# Altium PCB BOARD.PcbDoc (continued)
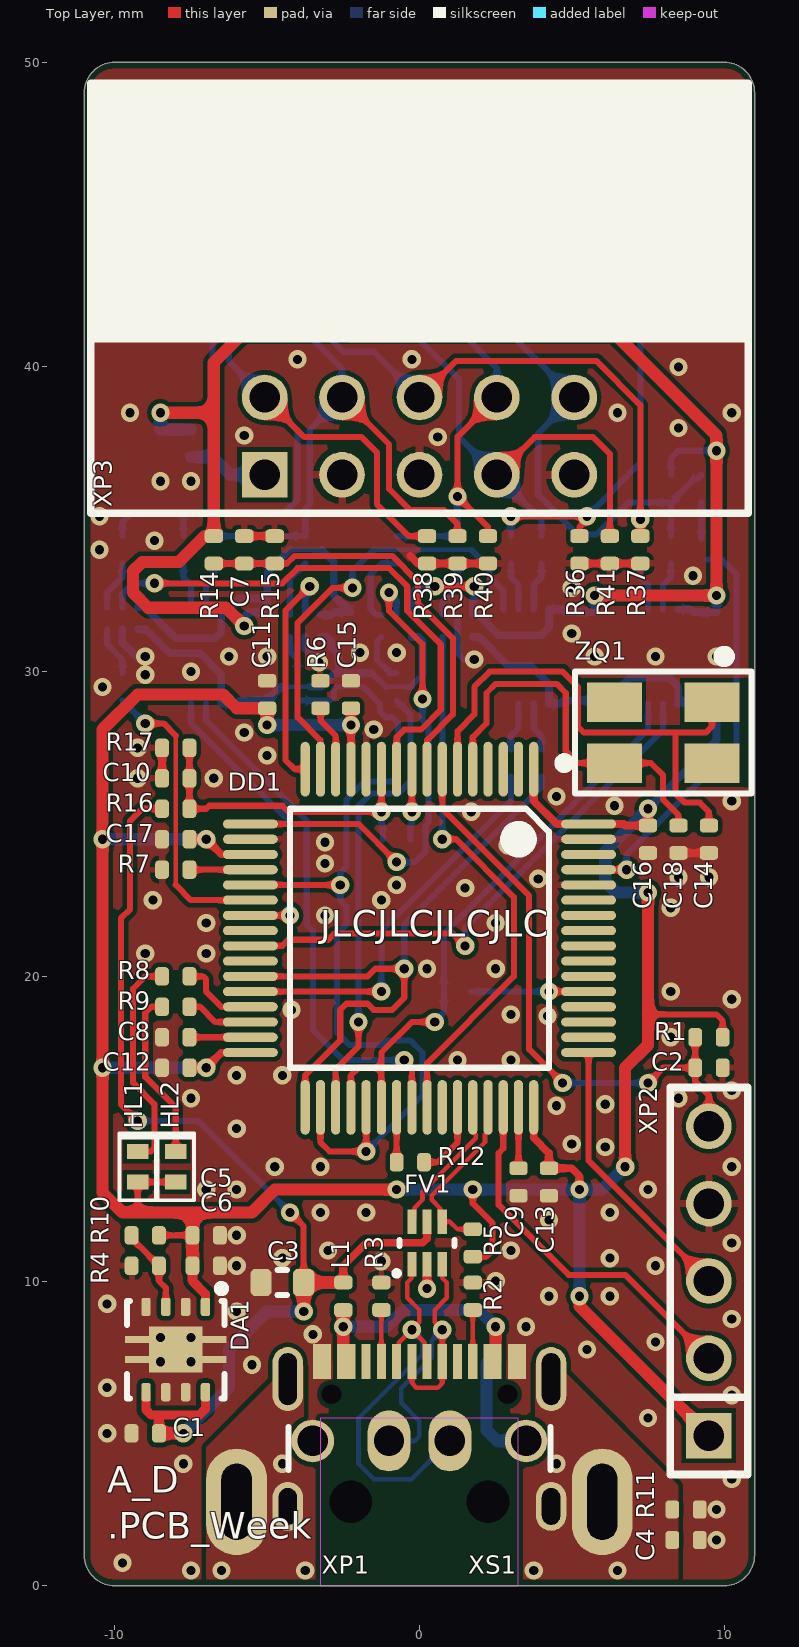
[diagram p0: Top Layer view]
## Part data
C1: library part GRM155R61C105KA12D, Dielectric Type=X5R, Manufacturer=Murata, Tolerance=±10%, Voltage=16V, Working Temperature Max=+85°С, Working Temperature Min=-55°С, Application Category=1, ClassName=DirectConnect, ID=272, Part Number=GRM155R61C105KA12D, Published=18.05.2010, Publisher="Andrew Danich", Type=Конденсатор
C2 C4 C12 C13 C15 C16 C17 C19 C20 C21 C22 C23 C24 C25 C26: library part GCM155R71C104KA55D, Dielectric Type=X7R, Manufacturer=Murata, Tolerance=±10%, Voltage=16V, Working Temperature Max=+125°С, Working Temperature Min=-55°С, Application Category=1, Functional Analog=GRM155R71C104KA88D, ID=163, Part Number=GCM155R71C104KA55D, Published=18.05.2010, Publisher="Andrew Danich", Type=Конденсатор
  C4 C12 C13 C15 C16 C17 C19 C20 C21 C22 C23 C24 C25 C26: ClassName=DirectConnect
C3: library part GRM188R61A106KE69D, Dielectric Type=X5R, Manufacturer=Murata, Tolerance=±10%, Voltage=10V, Working Temperature Max=+85°С, Working Temperature Min=-55°С, Application Category=1, ClassName=DirectConnect, ID=173, Part Number=GRM188R61A106KE69D, Published=18.05.2010, Publisher="Andrew Danich", Type=Конденсатор
C5 C6 C11: library part GRM155R60J475ME87D, Dielectric Type=X5R, Manufacturer=Murata, Tolerance=±20%, Voltage=6.3V, Working Temperature Max=+85°С, Working Temperature Min=-55°С, Application Category=1, ClassName=DirectConnect, ID=223, Part Number=GRM155R60J475ME87D, Published=18.05.2010, Publisher="Andrew Danich", Type=Конденсатор
C7 C10: library part GCM155R71E103KA37D, Dielectric Type=X7R, Manufacturer=Murata, Tolerance=±10%, Voltage=25V, Working Temperature Max=+125°С, Working Temperature Min=-55°С, Application Category=1, Functional Analog=GRM155R71E103KA01D, ID=150, Part Number=GCM155R71E103KA37D, Published=18.05.2010, Publisher="Andrew Danich", Type=Конденсатор
C8 C9 C27: library part GRM155D71C225ME11D, Dielectric Type=X7T, Manufacturer=Murata, Tolerance=±20%, Voltage=16V, Working Temperature Max=+125°С, Working Temperature Min=-55°С, Application Category=1, ClassName=DirectConnect, Functional Analog=GRM155R60J225ME15D, ID=180, Part Number=GRM155D71C225ME11D, Published=18.05.2010, Publisher="Andrew Danich", Type=Конденсатор
C14 C18: library part GRM1555C1H120JA01D, Dielectric Type=NP0, Manufacturer=Murata, Tolerance=±5%, Voltage=50V, Application Category=1, ClassName=DirectConnect, ID=159, Part Number=GRM1555C1H120JA01D, Published=18.05.2010, Publisher="Andrew Danich", Type=Конденсатор
DA1: library part TPS73701DRBR, Input Voltage=+2.2…5.5V, Manufacturer="Texas Instruments", Output Current=1A, Output Voltage=+1.2…5.5V, Working Temperature Max=+125°С, Working Temperature Min=-40°С, Application Category=1, ClassName=DirectConnect, Functional Analog=TPS73701DRBT, ID=26, Part Number=TPS73701DRBR, Published=25.03.2019, Publisher="Andrew Danich", Type=Микросхема
DD1: library part STM32F205RET6, Manufacturer=STMicroelectronics, Operation Frequency=120MHz, Working Temperature Max=+85°С, Working Temperature Min=-40°С, Application Category=1, EEPROM=-, Flash=512K, I/O Lines=51, ID=33, Part Number=STM32F205RET6, Prog Interface="JTAG, SWD, UART", Published=16.10.2015, Publisher="Andrew Danich", SRAM=128K, Supply Operation=+1.8…3.6V, Type=Микросхема
DD2 DD3 DD4: library part SN74LVC2T45DCUR, Manufacturer="Texas Instruments", Supply Current=10uA, Working Temperature Max=+85°С, Working Temperature Min=-40°С, Application Category=1, Channels=2, Directional=Unidirection, Functional Analog=74LVCH2T45DC,125, ID=18, Max Data Rate=420Mbps, Part Number=SN74LVC2T45DCUR, Published=06.03.2020, Publisher="Andrew Danich", Supply 1 Operation=+1,65…5,5V, Supply 2 Operation=+1,65…5,5V, Type=Микросхема
DD5 DD6 DD7 DD8: library part 74LVC1T45FZ4-7, Manufacturer="Diodes Incorporated", Supply Current=3uA, Working Temperature Max=+150°С, Working Temperature Min=-40°С, Application Category=1, Channels=1, Directional=Bidirection, ID=13, Part Number=74LVC1T45FZ4-7, Prop Delay=15.1nS, Published=17.07.2019, Publisher="Andrew Danich", Supply 1 Operation=+1.65…5.5V, Supply 2 Operation=+1.65…5.5V, Type=Микросхема
FV1: library part USBLC6-2P6, Breakdown Voltage=6V, Forward Voltage=0.95V, Junction Capacitance=2.5pF, Manufacturer=STMicroelectronics, Peak Forward Current=5A, Reverse Stand Off Voltage=17V, Working Temperature Max=+125°С, Working Temperature Min=-40°С, Application Category=1, ClassName=DirectConnect, Directional=Bidirectional, Functional Analog=-, ID=30, Part Number=USBLC6-2P6, Published=21.02.2017, Publisher="Andrew Danich", Type=Супрессор
HL1 HL2: library part KPHHS-1005QBC-D-V, Color=Blue, Forward Current=20mA, Forward Voltage=3.3V, Manufacturer=Kingbright, Power Dissipation=120mW, Working Temperature Max=+85°С, Working Temperature Min=-40°С, Application Category=1, ID=24, Leds=1, Luminous Flux=60, Part Number=KPHHS-1005QBC-D-V, Published=03.12.2013, Publisher="Andrew Danich", Type="Индикатор единичный"
L1 L2: library part BLM15PD121SN1D, DC Resistance=0.09ohm, Inductor Type=EMIFIL, Manufacturer=Murata, Rated Current=1.3A, Tolerance=±25%, Working Temperature Max=+125°С, Working Temperature Min=-55°С, Application Category=1, ClassName=DirectConnect, ID=11, Impedance at 100Mhz=120ohm, Part Number=BLM15PD121SN1D, Published=14.11.2014, Publisher="Andrew Danich", Type=Дроссель
R1: library part RC0402JR-0710KL, Limit Voltage=50V, Manufacturer=Yageo, Temperature Coefficient=100ppm, Tolerance=±5%, Total Power Dissipation=0.1W, Working Temperature Max=+155°С, Working Temperature Min=-55°С, Application Category=1, ID=476, Part Number=RC0402JR-0710KL, Published=24.03.2010, Publisher="Andrew Danich", Series Type=Thick-Film, Type=Резистор
R2 R3: library part RC0402FR-075K1L, Limit Voltage=50V, Manufacturer=Yageo, Temperature Coefficient=100ppm, Tolerance=±1%, Total Power Dissipation=0.1W, Working Temperature Max=+155°С, Working Temperature Min=-55°С, Application Category=1, ID=496, Part Number=RC0402FR-075K1L, Published=24.03.2010, Publisher="Andrew Danich", Series Type=Thick-Film, Type=Резистор
R4: library part RC0402FR-0712KL, Limit Voltage=50V, Manufacturer=Yageo, Temperature Coefficient=100ppm, Tolerance=±1%, Total Power Dissipation=0.1W, Working Temperature Max=+155°С, Working Temperature Min=-55°С, Application Category=1, ID=318, Part Number=RC0402FR-0712KL, Published=24.03.2010, Publisher="Andrew Danich", Series Type=Thick-Film, Type=Резистор
R5: library part RC0402FR-071K6L, Limit Voltage=50V, Manufacturer=Yageo, Temperature Coefficient=100ppm, Tolerance=±1%, Total Power Dissipation=0.1W, Working Temperature Max=+155°С, Working Temperature Min=-55°С, Application Category=1, ID=504, Part Number=RC0402FR-071K6L, Published=24.03.2010, Publisher="Andrew Danich", Series Type=Thick-Film, Type=Резистор
R6 R7 R12 R13 R20: library part RC0402JR-070RL, Limit Voltage=50V, Manufacturer=Yageo, Temperature Coefficient=100ppm, Tolerance=±5%, Total Power Dissipation=0.1W, Working Temperature Max=+155°С, Working Temperature Min=-55°С, Application Category=1, ID=362, Part Number=RC0402JR-070RL, Published=24.03.2010, Publisher="Andrew Danich", Series Type=Thick-Film, Type=Резистор
R8 R9: library part RC0402JR-071KL, Limit Voltage=50V, Manufacturer=Yageo, Temperature Coefficient=100ppm, Tolerance=±5%, Total Power Dissipation=0.1W, Working Temperature Max=+155°С, Working Temperature Min=-55°С, Application Category=1, ID=3, Part Number=RC0402JR-071KL, Published=24.03.2010, Publisher="Andrew Danich", Series Type=Thick-Film, Type=Резистор
R10: library part RC0402FR-0722K1L, Limit Voltage=50V, Manufacturer=Yageo, Temperature Coefficient=100ppm, Tolerance=±1%, Total Power Dissipation=0.1W, Working Temperature Max=+155°С, Working Temperature Min=-55°С, Application Category=1, ID=447, Part Number=RC0402FR-0722K1L, Published=24.03.2010, Publisher="Andrew Danich", Series Type=Thick-Film, Type=Резистор
R11: library part RC0402JR-07100KL, Limit Voltage=50V, Manufacturer=Yageo, Temperature Coefficient=100ppm, Tolerance=±5%, Total Power Dissipation=0.1W, Working Temperature Max=+155°С, Working Temperature Min=-55°С, Application Category=1, ClassName=DirectConnect, ID=351, Part Number=RC0402JR-07100KL, Published=24.03.2010, Publisher="Andrew Danich", Series Type=Thick-Film, Type=Резистор
R14 R15 R16 R17: library part RC0402FR-0710KL, Limit Voltage=50V, Manufacturer=Yageo, Temperature Coefficient=100ppm, Tolerance=±1%, Total Power Dissipation=0.1W, Working Temperature Max=+155°С, Working Temperature Min=-55°С, Application Category=1, ID=2, Part Number=RC0402FR-0710KL, Published=24.03.2010, Publisher="Andrew Danich", Series Type=Thick-Film, Type=Резистор
R18: library part RC0402JR-074K7L, Limit Voltage=50V, Manufacturer=Yageo, Temperature Coefficient=100ppm, Tolerance=±5%, Total Power Dissipation=0.1W, Working Temperature Max=+155°С, Working Temperature Min=-55°С, Application Category=1, ID=4, Part Number=RC0402JR-074K7L, Published=24.03.2010, Publisher="Andrew Danich", Series Type=Thick-Film, Type=Резистор
R19: library part RC0402JR-0751RL, Limit Voltage=50V, Manufacturer=Yageo, Temperature Coefficient=100ppm, Tolerance=±5%, Total Power Dissipation=0.1W, Working Temperature Max=+155°С, Working Temperature Min=-55°С, Application Category=1, ID=374, Part Number=RC0402JR-0751RL, Published=24.03.2010, Publisher="Andrew Danich", Series Type=Thick-Film, Type=Резистор
R21 R22 R23 R24 R25 R26 R27 R30 R31 R35: library part RC0402JR-07430RL, Limit Voltage=50V, Manufacturer=Yageo, Temperature Coefficient=100ppm, Tolerance=±5%, Total Power Dissipation=0.1W, Working Temperature Max=+155°С, Working Temperature Min=-55°С, Application Category=1, ID=376, Part Number=RC0402JR-07430RL, Published=24.03.2010, Publisher="Andrew Danich", Series Type=Thick-Film, Type=Резистор
R28 R29 R32 R33 R34: library part RC0402JR-07100RL, Limit Voltage=50V, Manufacturer=Yageo, Temperature Coefficient=100ppm, Tolerance=±5%, Total Power Dissipation=0.1W, Working Temperature Max=+155°С, Working Temperature Min=-55°С, Application Category=1, ID=479, Part Number=RC0402JR-07100RL, Published=24.03.2010, Publisher="Andrew Danich", Series Type=Thick-Film, Type=Резистор
R36 R37 R38 R39 R40 R41: library part RC0402JR-07200KL, Limit Voltage=50V, Manufacturer=Yageo, Temperature Coefficient=100ppm, Tolerance=±5%, Total Power Dissipation=0.1W, Working Temperature Max=+155°С, Working Temperature Min=-55°С, Application Category=1, ID=353, Part Number=RC0402JR-07200KL, Published=24.03.2010, Publisher="Andrew Danich", Series Type=Thick-Film, Type=Резистор
VT1: library part NX3008NBKMB, D-S On-Resistance=1.4omh, D-S Voltage=30V, Drain Current=530mA, Gate Capacitance=50pF, Gate Threshold Voltage=1.1V, Manufacturer="NXP Semiconductors", Total Power Dissipation=360mW, Working Temperature Max=+150°С, Working Temperature Min=-55°С, Application Category=1, Functional Analog=-, ID=36, Part Number=NX3008NBKMB, Published=24.09.2010, Publisher="Andrew Danich", Type=Транзистор
XP1: library part DS1097-B, Limit Current=1.5A, Limit Voltage=30V, Manufacturer="Connfly Electronic Co., Ltd", Application Category=1, ClassName=DirectConnect, Connector Type=Male, Functional Analog="USB-AR, DS1097-W", ID=3, Interface="USB 2.0", Max Data Rate="480 mbps", Mount Type="Through hole", Part Number=DS1097-B, Pins=6, Published=13.08.2015, Publisher="Andrew Danich", Type=Вилка
XP2: library part PLS-5, Limit Current=3A, Limit Voltage=250V, Resistance=15momh, Application Category=1, Connector Type=Male, ID=4, Part Number=PLS-5, Pins=5, Pitch=2.54mm, Published=07.03.2013, Publisher="Andrew Danich", Surface Finish=Gold, Type=Вилка
XP3: library part IDC-10MR, Limit Current=1A, Limit Voltage=500V, Resistance=20mohm, Application Category=1, Connector Type=Male, Functional Analog="DS1013-10RSIB, C3510-10SPGB00", ID=11, Part Number=IDC-10MR, Pins=10, Pitch=2.54mm, Published=07.03.2013, Publisher="Andrew Danich", Type=Вилка
XS1: library part U262-161N-4BVC11, Limit Current=3A, Limit Voltage=30V, Manufacturer="XKB Enterprise", Working Temperature Max=+85°С, Working Temperature Min=-40°С, Application Category=1, ClassName=DirectConnect, Connector Type=Female, Functional Analog=C167321, ID=41, Interface="USB 3.1 Type C", Max Data Rate="480 mbps", Mount Type=Surface, Part Number=U262-161N-4BVC11, Pins=16, Published=17.09.2018, Publisher="Andrew Danich", Type=Розетка
XS2: library part XF2M-1015-1A, Limit Current=500mA, Limit Voltage=50V, Manufacturer="Omron Electronics", Resistance=0.05ohm, Working Temperature Max=+85°С, Working Temperature Min=-30°С, Application Category=1, Connector Type=Female, ID=7, Part Number=XF2M-1015-1A, Pins=10, Pitch=0.5mm, Published=07.09.2015, Publisher="Viktor Klishin", Series=FPC, Type=Розетка
XS3: library part XF2M-0615-1A, Limit Current=500mA, Limit Voltage=50V, Manufacturer="Omron Electronics", Resistance=0.05ohm, Working Temperature Max=+85°С, Working Temperature Min=-30°С, Application Category=1, Connector Type=Female, ID=6, Part Number=XF2M-0615-1A, Pins=6, Pitch=0.5mm, Published=16.02.2017, Publisher="Viktor Klishin", Series=FPC, Type=Розетка
ZQ1: library part AB-12.000MALE-T, Load Capacitance=12pF, Output Frequency=12MHz, Application Category=1, ID=14, Part Number=AB-12.000MALE-T, Published=08.03.2013, Publisher="Andrew Danich", Type=Резонатор

## Via types
v1: diameter 0.6, hole 0.3, Top Layer to Bottom Layer, tented both sides, 213 vias
v2: diameter 0.6, hole 0.3, Top Layer to Bottom Layer, 4 vias

## Nets (pads, with @x,y where several pads share a name; then routed paths per layer and width w, separated by ;. In a path a pad name is that pad's centre, name@x,y a point inside that pad or via, vN(x,y) a via of type N, cw(c..) or ccw(c..) an arc to the next point about the centre after c; other vN are vias at no path point)
DEBUG_RXD: R29.2 R36.2 XS3.3 | length 14.6
  Top Layer w0.2: v1(3,35.1) v1(5.5,35.1) 5.5,34.992 5.25,34.742 R36.2
  Bottom Layer w0.2: R29.2 v1(3,35.1) ; v1(5.5,35.1) 7.25,36.85 7.25,42 5.75,43.5 XS3.3
FTVCC: C23.1 C24.1 C25.1 C26.1 C27.2 DD2.8 DD3.8 DD4.8 DD5.6 DD6.6 DD7.6 DD8.6 L2.1 R14.2 R18.1 | length 71.5
  Top Layer w0.25: v1(0.5,32.8) v1(1.8,32.8)
  Top Layer w0.4: v1(-8.5,38.5) -6.75,38.5 ; v1(-5.75,31.5) -6.35,32.1 -8.9,32.1 -9.4,32.6 -9.4,33.3 -9.1,33.6 -7.9,33.6 -7.05,34.45 R14.2 -6.75,38.5 ; v1(5.75,32.5) v1(9.75,32.5) v1(9.75,37.25) 9.75,37.75 6.4,41.1 -5.8,41.1 -6.75,40.15 -6.75,38.5
  Bottom Layer w0.15: -4.25,34 -3.2,34
  Bottom Layer w0.2: C26.1 -5,32.4 ; R18.1 8.25,37 8.5,37.25 v1(9.75,37.25)
  Bottom Layer w0.25: DD6.6 -9.013,32.113 -8,31.1 -6.7,31.1 -6.5,31.3 DD2.8 -6.25,32.05 -5.9,32.4 -5,32.4 -5,33.25 -4.25,34 ; v1(-5.75,31.5) -5.75,31.8 -5.6,31.95 C26.1 ; DD7.6 -2.9,31.863 -2.813,31.95 C25.1 -2.813,32.513 -2.813,33.613 -3.2,34 ; DD5.6 -0.25,32.55 0,32.8 v1(0.5,32.8) ; v1(1.8,32.8) 1.8,32.4 1.75,32.35 DD8.6 1.937,31.863 2.6,31.2 4,31.2 4.25,31.45 DD3.8 4.7,32.05 4.8,31.95 C24.1 v1(5.75,32.5) ; DD4.8 8.9,32.05 9,31.95 C23.1 v1(9.75,32.5)
  Bottom Layer w0.4: v1(-8.5,38.5) C27.2 -8.498,37.952 L2.1
GND: C1.1 C2.2 C3.1 C4.1 C5.1 C6.1 C7.2 C8.1 C9.1 C10.2 C11.1 C12.2 C13.2 C14.1 C15.2 C16.2 C17.2 C18.1 C19.2 C20.2 C21.2 C22.2 C23.2 C24.2 C25.2 C26.2 C27.1 DA1.2 DA1.4 DA1.6 DA1.7 DA1.TP DD1.12 DD1.18 DD1.60 DD1.63 DD2.4 DD2.5 DD3.4 DD4.4 DD4.5 DD5.2 DD6.2 DD7.2 DD8.2 DD8.5 FV1.2 R2.1 R3.1 R4.1 R6.1 R7.1 R11.2 R15.1 R17.1 R36.1 R37.1 R38.1 R39.1 R40.1 R41.1 VT1.3 XP1.4 XP2.4 XP3.3 XP3.5 XP3.9 XS1.A1 XS1.A12 XS1.B1 XS1.B12 XS2.3 XS2.5 XS2.9 XS3.2 XS3.5 | length 12.7
  Top Layer w0.25: C10.2 R17.1 ; C7.2 R15.1 ; -0.3,33.8 -0.05,33.55 R38.1 R39.1 R40.1 ; v1(0.25,9.75) FV1.2 ; R36.1 R41.1 R37.1 ; C18.1 C14.1
  Bottom Layer w0.2: DD8.5 DD8.2 1.25,30.6 1.45,30.4 v1(1.8,30.4)
  Bottom Layer w0.25: DD6.2 -9.75,30.95 -9.3,30.5 v1(-9,30.5) ; DD7.2 -3.75,30.75 v1(-3.3,30.3)
  other v1: -7.5,0.5 -9.75,0.75 9.75,1.5 9.75,2.5 10.25,3.5 -7.75,4 -10.25,5 7.5,5.5 10.25,6.25 -10.25,6.5 -5.5,7.25 5.5,7.75 7.75,8 -3.5,8.25 3.5,8.5 10.25,8.75 -6,9 -10.25,9.25 4.25,9.5 6.25,9.5 2.5,10 -6,10.5 7.75,10.5 -1.25,10.65 -4.5,10.75 6.25,10.75 -3,11 3,11 10.25,11.25 -6,11.5 4.25,12 -3.25,12.25 -1.75,12.25 6.25,12.25 -7,13 -6,13 7.5,13 -4.75,13.75 -3.25,13.75 10.25,13.75 6.1,14.4 5,14.5 -6,15 4.5,15.75 6.1,15.8 -7.5,16 8.5,16 10.25,16.25 -6,16.75 -4.5,16.75 1.25,17.25 3,17.25 8.25,18 4.2,18.7 3,18.75 -4.2,18.9 10.25,19.25 8.25,19.5 0.25,20.25 2.5,20.25 -9,20.75 -7,20.75 -7,21.75 2.5,21.75 -3.1,22 8.25,22.25 -8.75,22.5 -1.25,22.5 1.5,22.9 -0.75,23 3.9,23.2 8.5,23.25 9.5,23.25 -3.1,23.7 2.9,24.3 -3.1,24.4 1.7,25.4 6.4,25.6 10.25,25.75 4.5,25.9 -9.25,26.5 -6.75,26.5 -5,27.25 -9.25,27.5 -5.75,28 -1.5,28.1 -10.4,29.5 -9,29.9 -7.5,30 -6.25,30.5 -5,30.5 5.75,30.5 7.75,30.5 9.75,30.5 -1.95,30.625 -0.75,30.625 5,31.25 5,32.75 8.975,33.15 -10.5,34 -8.7,34.3 -10.5,35.1 -8.5,36.25 -7.5,36.25 0.6,37.7 -5.75,37.75 8.5,38 -9.5,38.5 6.5,38.5 10.25,38.5 8.5,40 -4,40.25 -0.25,40.25 -7.5,42 -5.5,42 3.75,42 5,42 6.25,42 -1,42.5 0.5,42.5 2,42.5 7.5,42.75 -8,43.25 -2,43.25 -8,44.5 -2,44.5 4,44.5 8,44.5 -0.75,45.25 1,45.25 2.75,45.25 -6,45.75 -4.5,45.75 6.75,46 -7.25,46.5 -10.25,47 -8.25,47 8.25,47 10.25,47 -5.75,47.5 -1.75,47.5 3.75,47.5 -8.25,49 -1.75,49 3.75,49 8.25,49
  other v2: -8.5,7.35 -7.5,7.35 -8.5,8.15 -7.5,8.15
JTAG_RST_N: R18.2 R19.2 R30.2 XP3.10 XS2.10 | length 22.8
  Bottom Layer w0.2: XS2.10 -2.75,42.55 -1.9,41.7 2.38,41.7 XP3.10 3.9,37.82 3.9,35.8 5.2,34.5 5.8,34.5 6.85,35.55 R18.2 ; R30.2 R18.2 ; R19.2 9.133,36.333 9.033,36.333 8.442,35.742 8.442,35.674 8.318,35.55 R18.2
JTAG_RTCK: R28.2 R41.2 XP3.7 XS2.7 | length 22
  Top Layer w0.2: XP3.7 3.78,37.7 5.7,37.7 6.25,37.15 R41.2
  Bottom Layer w0.2: XS2.7 -4.25,42.85 -2.3,40.9 0,40.9 1.3,39.6 1.3,37.7 XP3.7 4,35 R28.2
JTAG_TCK: R26.2 R34.2 R39.2 XP3.4 XS2.4 | length 21.6
  Top Layer w0.2: XP3.4 -1,37.46 -1,36 -0.3,35.3 0.8,35.3 1.242,34.858 1.242,34.458 R39.2
  Bottom Layer w0.2: R26.2 R34.2 -3.75,35.35 -3.6,35.5 -3.6,37.94 XP3.4 -2.54,39.94 -5.75,43.15 XS2.4
JTAG_TDI: R32.2 R35.2 R40.2 XP3.8 XS2.8 XS3.4 | length 31.2
  Top Layer w0.2: R40.2@2.242,34.458 2.242,34.758 v1(1.25,35.75) 1.25,37.71 XP3.8
  Bottom Layer w0.2: R32.2 R35.2 v1(1.25,35.75) ; XP3.8 2.54,39.96 1.2,41.3 -2.1,41.3 -3.75,42.95 XS2.8 -3.75,45.5 -3.25,46 5.6,46 6.25,45.35 XS3.4
JTAG_TDO: R31.2 R37.2 XP3.6 XS2.6 | length 21.3
  Top Layer w0.2: XP3.6 1.2,40.2 5.8,40.2 7.25,38.75 v1(7.25,35) R37.2
  Bottom Layer w0.2: XS2.6 -4.75,42.75 -2.5,40.5 -1.5,40.5 XP3.6 ; R31.2 v1(7.25,35)
JTAG_TMS: R27.2 R33.2 R38.2 XP3.2 XS2.2 | length 25.5
  Top Layer w0.2: XP3.2 -3.78,37.7 -1.9,37.7 -1.4,37.2 -1.4,35.5 -0.35,34.45 R38.2
  Bottom Layer w0.2: R33.2 -9.75,34.9 -9.45,35.2 -7.75,35.2 ; R27.2 -7.75,35.2 ; XS2.2 -6.75,43.55 -6.25,43.05 -6.25,40.17 XP3.2 -4,37.92 -4,35.65 -4.45,35.2 -7.75,35.2
NetC8_2: C8.2 DD1.31 | length 2
  Top Layer w0.2: C8.2 DD1.31
NetC9_2: C9.2 DD1.47 | length 2
  Top Layer w0.2: C9.2 DD1.47
NetC14_2: C14.2 DD1.6 ZQ1.1 | length 17.2
  Top Layer w0.2: DD1.6 1.25,28.05 1.8,28.6 1.8,29.5 2.3,30 4.7,30 5.2,29.5 5.2,28.2 5.4,28 8.394,28 ; C14.2 9.5,25.4 9.2,25.7 8.7,25.7 8.4,26 8.4,27.994 8.394,28 ; ZQ1.1 9.6,28.2 9.4,28 8.394,28
NetC18_2: C18.2 DD1.5 ZQ1.3 | length 12.8
  Top Layer w0.2: DD1.5 1.75,27.85 2.2,28.3 2.2,29.3 2.5,29.6 4.5,29.6 4.8,29.3 4.8,27.4 5.2,27 ZQ1.3 7.6,27 8,26.6 8,25.8 8.5,25.3 C18.2
NetDA1_3: DA1.3 R4.2 R10.1 | length 2.9
  Top Layer w0.2: R10.1 -9.333,11.383 -9.333,11.283 -8.742,10.692 -8.674,10.692 -8.55,10.568 R4.2 -8.55,10 -8.325,9.775 DA1.3
NetDD2_6: DD2.6 R27.1 | length 1.6
  Bottom Layer w0.2: R27.1 -7.75,33.1 -7.5,32.85 DD2.6
NetDD2_7: DD2.7 R26.1 | length 1.6
  Bottom Layer w0.2: DD2.7 -7,32.85 -6.75,33.1 R26.1
NetDD3_2: DD3.2 R21.2 | length 1.6
  Bottom Layer w0.2: DD3.2 3.75,28.15 4,27.9 R21.2
NetDD3_3: DD3.3 R22.2 | length 1.6
  Bottom Layer w0.2: R22.2 3,27.9 3.25,28.15 DD3.3
NetDD3_6: DD3.6 R29.1 | length 1.6
  Bottom Layer w0.2: R29.1 3,33.1 3.25,32.85 DD3.6
NetDD3_7: DD3.7 R28.1 | length 1.6
  Bottom Layer w0.2: DD3.7 3.75,32.85 4,33.1 R28.1
NetDD4_6: DD4.6 R31.1 | length 1.6
  Bottom Layer w0.2: R31.1 7.25,33.1 7.5,32.85 DD4.6
NetDD4_7: DD4.7 R30.1 | length 1.6
  Bottom Layer w0.2: DD4.7 8,32.85 8.25,33.1 R30.1
NetDD5_3: DD5.3 R23.2 | length 1.6
  Bottom Layer w0.2: DD5.3 -1.4,30.987 -1.4,30.4 -0.958,29.958 -0.758,29.958 R23.2
NetDD5_4: DD5.4 R32.1 | length 2.6
  Bottom Layer w0.2: DD5.4 -1.413,31.863 -1.6,32.05 -1.6,33.2 -1.25,33.55 R32.1
NetDD6_3: DD6.3 R24.2 | length 1.6
  Bottom Layer w0.2: DD6.3 -10.25,30.9 -9.75,30.4 R24.2
NetDD6_4: DD6.4 R33.1 | length 1.6
  Bottom Layer w0.2: DD6.4 -10.25,32.6 -9.75,33.1 R33.1
NetDD7_3: DD7.3 R25.2 | length 1.3
  Bottom Layer w0.2: DD7.3 -4.25,30.65 -4,30.4 R25.2
NetDD7_4: DD7.4 R34.1 | length 1.9
  Bottom Layer w0.2: DD7.4 -4.25,33.05 R34.1
NetDD8_4: DD8.4 R35.1 | length 1.9
  Bottom Layer w0.2: DD8.4 0.75,32.25 1.25,32.75 R35.1
NetHL1_2: HL1.2 R8.1 | length 7.2
  Top Layer w0.2: HL1.2 -8.817,14.25 -8.7,14.367 -8.7,15.8 -9.4,16.5 -9.4,19.6 -9,20 R8.1
NetHL2_2: HL2.2 R9.1 | length 5.6
  Top Layer w0.2: R9.1 -8.8,19 -9,18.8 -9,16.7 -8,15.7 HL2.2
NetR2_2: R2.2 XS1.B5 | length 1.7
  Top Layer w0.15: XS1.B5 R2.2
NetR3_2: R3.2 XS1.A5 | length 1.7
  Top Layer w0.15: XS1.A5 R3.2
NetR19_1: R19.1 VT1.2 | length 1.2
  Bottom Layer w0.2: VT1.2 R19.1
PA0: DD1.14 R6.2 | length 2.2
  Top Layer w0.2: R6.2 -3.242,28.792 -3.242,28.392 -2.75,27.9 DD1.14
PA1: DD1.15 DD3.5 | length 14.5
  Top Layer w0.2: DD1.15 -3.25,27.75 -4,28.5 -4,31.6 -2.85,32.75 v1(-2.2,32.75)
  Bottom Layer w0.15: -1.5,34 1.7,34
  Bottom Layer w0.2: v1(-2.2,32.75) -2.2,33.3 -1.5,34 ; 1.7,34 2.3,33.4 2.3,33.1 2.75,32.65 DD3.5
PA2: DD1.16 DD7.5 | length 7.8
  Top Layer w0.2: DD1.16 -4.1,26.8 -4.4,27.1 -4.4,32 v1(-3.6,32.8)
  Bottom Layer w0.2: DD7.5 -3.75,32.542 -3.6,32.692 v1(-3.6,32.8)
PA3: DD1.17 DD5.5 | length 16.3
  Top Layer w0.2: DD1.17 -2,25 v1(-0.75,23.75) ; v1(-1,32.6) -1,32 0.1,30.9 v1(0.1,29.1)
  Bottom Layer w0.2: v1(-1,32.6) -0.75,32.35 DD5.5 ; v1(-0.75,23.75) -0.15,23.75 0.2,24.1 0.2,24.95 0.3,25.05 0.3,28.2 0.1,28.4 v1(0.1,29.1)
PA4: DD1.20 R7.2 | length 2
  Top Layer w0.2: R7.2 DD1.20
PA5: DD1.21 DD1.34 DD1.37 R25.1 | length 30.3
  Top Layer w0.2: DD1.21 v1(-2.6,23) ; DD1.34 -3.25,14.55 -2.95,14.25 v1(-1.75,14.25) DD1.37
  Bottom Layer w0.15: -2.7,29.5 -1.85,29.5
  Bottom Layer w0.2: R25.1 -2.95,29.05 -2.8,29.2 -2.8,29.4 -2.7,29.5 ; -1.85,29.5 -1.3,28.95 -1.3,28.7 -1.1,28.5 -0.9,28.5 -0.7,28.3 -0.7,26.6 -0.9,26.4 -1.8,26.4 -2.1,26.1 -2.4,25.8 -2.4,23.6 -2.6,23.4 v1(-2.6,23) -2.6,22.5 -2.4,22.3 -2.4,21.7 -2.7,21.4 -2.7,18.15 -2.3,17.75 -1.25,17.75 -1.1,17.9 -0.3,17.9 0.1,17.5 0.1,16.1 v1(-1.75,14.25)
PA6: DD1.22 R24.1 | length 9.8
  Top Layer w0.15: -8,23 -8,27.9
  Top Layer w0.2: v1(-9,28.3) -8.4,28.3 -8,27.9 ; -8,23 -7.5,22.5 DD1.22
  Bottom Layer w0.2: R24.1 v1(-9,28.3)
PA7: DD1.23 DD2.3 | length 9.6
  Top Layer w0.2: DD1.23 v1(-4.25,22)
  Bottom Layer w0.2: DD2.3 -7.5,28.3 -4.25,25.05 v1(-4.25,22)
PA8: DD1.41 DD8.3 | length 17.9
  Top Layer w0.2: DD1.41 0.25,17.15 3.1,20 3.1,22.6 1.2,24.5 v1(0.75,24.5)
  Bottom Layer w0.2: v1@0.75,24.45 v1(0.75,24.5) DD8.3
PA10: DD1.43 R12.1 | length 2.5
  Top Layer w0.2: R12.1 0.6,13.9 1.25,14.55 DD1.43
PB1: DD1.27 DD1.33 R21.1 | length 20.4
  Top Layer w0.2: DD1.27 -1.7,20 -1.45,20.25 v1(-0.5,20.25) -0.5,19.3 -0.9,18.9 -1.5,18.9 -1.7,19.1 -2.4,19.1 -2.6,18.9 -2.6,17.9 -3.75,16.75 DD1.33
  Bottom Layer w0.2: v1(-0.5,20.25) -0.5,21.7 4,26.2 R21.1
PB2: DD1.28 R22.1 | length 13.1
  Top Layer w0.2: DD1.28 v1(-1.25,19.5)
  Bottom Layer w0.2: v1(-1.25,19.5) -1.25,21.5 3,25.75 R22.1
PB8: DD1.61 VT1.1 | length 13.6
  Top Layer w0.2: DD1.61 v1(6.8,23.5)
  Bottom Layer w0.2: v1(6.8,23.5) 6.8,24 10.4,27.6 10.4,33.2 9.925,33.675 VT1.1
PB10: DD1.29 R8.2 | length 2.6
  Top Layer w0.2: R8.2 -7.1,20 -7,19.9 -7,19.5 -6.5,19 DD1.29
PB11: DD1.30 R9.2 | length 2.2
  Top Layer w0.2: R9.2 -7.2,19 -6.7,18.5 DD1.30
PB14: DD1.35 R23.1 | length 15.1
  Top Layer w0.2: DD1.35 -2.75,16.95 -2,17.7 v1(-2,18.5)
  Bottom Layer w0.2: v1(-2,18.5) -2,25.6 -1.6,26 -0.7,26 -0.3,26.4 -0.3,28.6 R23.1
PB15: DD1.36 DD1.38 DD4.3 R20.2 | length 19.5
  Top Layer w0.2: DD1.36 -2.25,16.75 -2,17 -1.25,17 ; DD1.38 -1.25,17 ; v1(0.5,18.5) -0.25,18.5 -1.25,17.5 -1.25,17
  Bottom Layer w0.2: v1(0.5,18.5) 0.5,18.517 0.8,18.817 R20.2 0.8,21.4 7.5,28.1 DD4.3
PC0: C7.1 DD1.8 R14.1 R15.2 | length 14.1
  Top Layer w0.2: R14.1 C7.1 R15.2 -4.35,33.55 -4.1,33.8 -0.9,33.8 -0.05,32.95 -0.05,32.25 1.1,31.1 1.1,28.6 0.25,27.75 DD1.8
PC1: DD1.9 R13.2 | length 2.3
  Top Layer w0.2: v1(-0.25,25.4) DD1.9
  Bottom Layer w0.2: R13.2 -0.3,24.95 -0.25,25 v1(-0.25,25.4)
PC2: DD1.10 DD6.5 | length 17.8
  Top Layer w0.2: v1(-8.7,32.9) -4.5,32.9 -4,33.4 -1,33.4 -0.4,32.8 -0.4,32 0.7,30.9 0.7,28.75 0.05,28.1 -0.5,28.1 -0.75,27.85 DD1.10
  Bottom Layer w0.2: DD6.5 -9.75,32.55 -9.4,32.9 v1(-8.7,32.9)
PC3: C10.1 DD1.11 R13.1 R16.1 R17.2 | length 10.7
  Top Layer w0.2: R17.2 C10.1 R16.1 -7,25.5 -6.9,25.6 -4.5,25.6 -4.3,25.4 v1(-1.25,25.4) DD1.11
  Bottom Layer w0.2: v1(-1.25,25.4) -1.25,25 -1.2,24.95 R13.1
PC5: DD1.25 DD4.2 | length 18
  Top Layer w0.2: DD1.25 -4.5,21 -4.3,21.2 -3,21.2 -2.8,21.4 1.1,21.4 v1(1.5,21)
  Bottom Layer w0.2: v1(1.5,21) 1.5,21.6 8,28.1 DD4.2
PC8: DD1.39 R12.2 | length 1.8
  Top Layer w0.2: R12.2 DD1.39
PC9: DD1.40 DD2.2 | length 17.2
  Top Layer w0.2: v1(-0.5,17.25) -0.5,17.183 -0.25,16.933 DD1.40
  Bottom Layer w0.2: DD2.2 -7,28.4 -3.7,25.1 -3.7,21.7 -3.5,21.5 -3.5,18.25 -2.5,17.25 v1(-0.5,17.25)
PC12: DD1.53 R20.1 | length 3.9
  Top Layer w0.2: v1(4.25,19.5) DD1.53
  Bottom Layer w0.2: R20.1 v1(4.25,19.5)
RESET_N: C2.1 DD1.7 R1.1 XP2.5 | length 19.6
  Top Layer w0.2: DD1.7 0.75,25.5 3.6,22.65 3.6,17.6 v1(4.7,16.5) ; v1(7.5,16.5) 8,17 C2.1 ; R1.1 C2.1 ; XP2.5 9.5,16.1 9.05,16.55 C2.1
  Bottom Layer w0.2: v1(4.7,16.5) v1(7.5,16.5)
SHLD: C4.2 R11.1 XP1.SH XS1.SH
  other v1: -6.5,0.5 -3.75,0.5 3.75,0.5 6.5,0.5 -4.5,4 4.5,4
SW_CLK: DD1.49 XP2.3 | length 9.1
  Top Layer w0.2: DD1.49 5.55,13.95 XP2.3
SW_DIO: DD1.46 XP2.2 | length 12.2
  Top Layer w0.2: DD1.46 2.75,14.35 2.6,14.2 2.6,12.5 4.9,10.2 6.76,10.2 XP2.2
TVCC: L2.2 XP3.1 XS2.1 XS3.1 | length 26
  Top Layer w0.2: v1(4.75,45.4) v1(4.75,46.7)
  Bottom Layer w0.2: -6.798,37.048 -6.798,42.798 -7.25,43.25 XS2.1 -7.25,45.45 -6,46.7 v1(4.75,46.7) ; XS3.1 v1(4.75,45.4)
  Bottom Layer w0.4: L2.2 -6.798,37.048 -6.21,36.46 XP3.1
USB_N: DD1.44 FV1.6 | length 4.7
  Top Layer w0.15: FV1.6 -0.175,12.025 -0.175,12.393 0.1,12.668 0.1,12.93 1.85,14.68 1.85,14.809 1.75,14.909 DD1.44
USB_P: DD1.45 FV1.4 R5.2 | length 5.8
  Top Layer w0.15: R5.2 1.25,11.7 1,11.95 FV1.4 0.675,12.025 0.675,12.393 0.4,12.668 0.4,12.805 2.15,14.555 2.15,14.809 2.25,14.909 DD1.45
USBD_N: FV1.1 XP1.2 XS1.A7 XS1.B7 | length 14.1
  Top Layer w0.15: XS1.B7 -0.675,7.43 -0.675,7.975 v1(-0.25,8.4) ; FV1.1 -0.25,10.1 -0.4,9.95 -0.4,9.45 0,9.05 0,8.65 v1(-0.25,8.4) ; XS1.A7 0.175,7.43 0.175,7.975 v1(-0.25,8.4)
  Bottom Layer w0.15: v1(-0.25,8.4) 0.1,8.05 0.1,7.6 -2,5.5 -2,4 -1.5,3.5 -0.25,3.5 XP1.2
USBD_P: FV1.3 XP1.3 XS1.A6 XS1.B6 | length 11.4
  Top Layer w0.15: XS1.A6 -0.243,7.348 -0.243,6.643 -0.1,6.5 0.607,6.5 0.75,6.643 XS1.B6 v1(0.75,8.4) 0.5,8.65 0.5,9.05 0.9,9.45 0.9,9.95 0.75,10.1 FV1.3
  Bottom Layer w0.15: XP1.3 -0.15,4.75 0,4.9 0,5.4 -0.6,6 -0.6,6.476 0.4,7.476 0.4,8.05 v1(0.75,8.4)
VBUS: L1.1 XP1.1 XS1.A4 XS1.A9 XS1.B4 XS1.B9 | length 13.2
  Top Layer w0.4: XS1.A4@-2.5,7.405 v1(-2.5,8.5) L1.1 ; XS1.A9@2.5,7.405 v1(2.5,8.5)
  Bottom Layer w0.4: v1(-2.5,8.5) -1.069,8.5 -0.519,9.05 1.95,9.05 v1(2.5,8.5) 2.5,7.6 2.2,7.3 2.2,5.1 2.55,4.75 XP1.1
VCC3P3: C5.2 C6.2 C11.2 C12.1 C13.1 C15.1 C16.1 C17.1 C19.1 C20.1 C21.1 C22.1 DA1.1 DD1.1 DD1.13 DD1.19 DD1.32 DD1.48 DD1.64 DD2.1 DD3.1 DD4.1 DD5.1 DD6.1 DD7.1 DD8.1 HL1.1 HL2.1 R1.2 R5.1 R10.2 XP2.1 | length 132
  Top Layer w0.2: -9.25,12.25 HL1.1 HL2.1 ; R10.2 C5.2 ; R5.1 2.2,10.8 2.4,11 2.4,11.9 1.75,12.55 v1(1.75,13) ; 7.5,18.75 9.75,18.75 9.95,18.55 R1.2
  Top Layer w0.25: C12.1 v1(-7,17) -6.51,17.49 -5.56,17.49 DD1.32 ; C17.1 v1(-7,24.5) -6.51,24.01 -5.56,24.01 DD1.19 ; DD1.13 v1(-2.25,28.25) C15.1 ; DD1.48 3.75,14.7 4.25,14.2 C13.1 5,13.7 5.248,13.452 5.248,13.002 v1(5.25,13) ; DD1.1 3.75,25.75 4.5,25 DD1.64 6.7,25 6.75,24.95 C16.1 v1(7.5,25.5)
  Top Layer w0.3: C6.2 -7.45,10 -7.025,9.575 DA1.1
  Top Layer w0.4: C6.2 C5.2 -7.45,12.25 ; v1(-5,28.25) C11.2 -6,28.8 -6.45,29.25 -9.25,29.25 -10.4,28.1 v1(-10.4,24.5) v1(-10.4,17) -10.4,12.9 -9.75,12.25 -9.25,12.25 -7.45,12.25 ; v1(-0.75,13) -4.75,13 -5.5,12.25 -7.45,12.25 ; v1(5.25,9.5) 5.25,9.17 XP2.1 ; v1(6.75,13.75) 6.75,17 7.5,17.75 7.5,18.75 v1(7.5,22.75)
  Bottom Layer w0.15: -4.4,29.5 -3.6,29.5 ; -1.113,29.5 -0.4,29.5
  Bottom Layer w0.2: -1.563,29.95 -1.113,29.5 ; -0.4,29.5 -0.3,29.5 0.1,29.9
  Bottom Layer w0.25: DD6.1 -8.988,31.387 -8.2,30.6 -7.2,30.6 -6.5,29.9 DD2.1 -6,28.95 -5.9,29.05 C22.1 -4.55,29.5 -4.4,29.5 ; -3.6,29.5 -3.23,29.5 -2.78,29.95 -2.653,29.95 ; DD7.1 -3.037,31.137 -2.9,31 -2.9,30.8 -2.653,30.553 -2.653,29.95 ; -1.563,29.95 C21.1 -2.653,29.95 ; DD5.1 -0.038,31.137 0.1,31 0.1,29.9 ; DD8.1 1.963,31.137 2.9,30.2 3.65,30.2 4.25,29.6 DD3.1@4.25,28.954 ; DD3.1 DD3.1@4.25,28.954 ; v1(7.5,25.5) 9.75,27.75 C19.1 8.9,29.05 8.854,29.004 DD4.1@8.5,29.004 ; DD4.1 DD4.1@8.5,29.004 ; DD3.1@4.25,28.954 4.604,28.954 4.7,29.05 C20.1 6.15,29.05 6.9,29.8 8.2,29.8 8.5,29.5 DD4.1@8.5,29.004
  Bottom Layer w0.4: v1(-10.4,17) v1(-7,17) ; v1(-10.4,24.5) v1(-7,24.5) ; C22.1 v1(-5,28.25) v1(-2.25,28.25) ; v1(-0.75,13) v1(1.75,13) v1(5.25,13) ; v1(5.25,9.5) v1(5.25,13) ; v1(6.75,13.75) 6,13 v1(5.25,13) ; v1(7.5,22.75) 6.45,22.75 6.1,23.1 6.1,24.1 v1(7.5,25.5)
VCC5P0: C1.2 C3.2 DA1.5 DA1.8 FV1.5 L1.2 R16.2 | length 37.6
  Top Layer w0.2: v1(-9.25,15.25) -9.8,15.8 -9.8,21.9 -9.5,22.2 -9.5,25.1 -9.1,25.5 R16.2 ; v1(-4.25,12.25) -3.8,11.8 C3.2
  Top Layer w0.25: L1.2 -2.5,10.5 -1.75,11.25 0.104,11.25 0.25,11.396 FV1.5
  Top Layer w0.3: DA1.5 -8.975,5.775 -8.8,5.6 -8.55,5.6 ; C1.2 -8.55,5.6 ; DA1.8 -7.025,5.8 -7.225,5.6 -8.55,5.6
  Top Layer w0.4: C1.2 v1(-7.75,5) ; v1(-3.8,9) C3.2 L1.2
  Bottom Layer w0.2: v1(-9.25,15.25) -7.25,15.25 v1(-4.25,12.25)
  Bottom Layer w0.4: v1(-7.75,5) -6.25,6.5 -6.25,7.75 -5,9 v1(-3.8,9)
pads on no net: DD1.2 DD1.3 DD1.4 DD1.24 DD1.26 DD1.42 DD1.50 DD1.51 DD1.52 DD1.54 DD1.55 DD1.56 DD1.57 DD1.58 DD1.59 DD1.62 XP1.0 XS1.0 XS1.A8 XS1.B8 XS2.SH XS3.6 XS3.SH ZQ1.2 ZQ1.4

## Polygon pours and split planes (outlines as drawn)
no net on Top Solder "GND_L02_P-001" (solid, remove dead copper): -11,31
GND on Bottom Layer "GND_L02_P004" (solid, remove dead copper, pour order 4): -11,0 11,0 11,50 -11,50
SHLD on Bottom Layer "SHLD_L02_P000" (solid, remove dead copper, pour order 0): -7,0 -7,3.5 -6,4.5 -3.5,4.5 -3.5,4 -1.75,2.25 1.75,2.25 3.5,4 3.5,4.5 6,4.5 7,3.5 7,0
GND on Top Layer "GND_L01_P006" (solid, remove dead copper, pour order 6): -11,0 11,0 11,50 -11,50
SHLD on Top Layer "SHLD_L01_P002" (solid, remove dead copper, pour order 2): -7,0.046 -7,4.546 -4.8,6.746 -4.8,7.3 -3.8,7.3 -3.8,4.346 -1.75,2.296 1.75,2.296 3.8,4.346 3.8,7.3 4.8,7.3 4.8,6.996 8.5,3.296 8.5,0.046

## Silkscreen, mask and mechanical layers (free items; w line width, h text height)
Top Overlay:
  text "JLCJLCJLCJLC" at -3.25,21 h1.5
  text "A_D" at -10.25,2.75 h1.5
  text ".PCB_Week" at -10.25,1.25 h1.5
Bottom Overlay:
  lines w0.15: -7.75,41.25 7.75,41.25 ; -6.5,40 -6.5,42.5 ; -3.75,40 -3.75,42.5 ; -1.25,40 -1.25,42.5 ; 1,40 1,42.5 ; 3.75,40 3.75,42.5 ; 6.5,40 6.5,42.5
  text "2" at -7.25,42.25 h1.5 r180
  text "TMS" at -6,42.25 h1.5 r180
  text "TCK" at -3.5,42.25 h1.5 r180
  text "TDO" at -1,42.25 h1.5 r180
  text "TDI" at 1.75,42.25 h1.5 r180
  text "SRST" at 4,42.25 h1.5 r180
  text "10" at 6.75,42.25 h1.5 r180
  text "1" at -7.25,41 h1.5 r180
  text "TVCC" at -6.25,41 h1.5 r180
  text "GND" at -3.5,41 h1.5 r180
  text "GND" at -1,41 h1.5 r180
  text "RTCK" at 1.25,41 h1.5 r180
  text "GND" at 4.25,41 h1.5 r180
  text "9" at 7,41 h1.5 r180
Bottom Solder:
  text "'.PCB_Week'" at -26,11.5 h2 r270
1 - Board Outline:
  the board outline again, w0.2